# Altium PCB jetson-orin-baseboard.PcbDoc (part 4 of 4)
Units mm, origin at the board's own origin, x right, y up, seen from the top; angles counter-clockwise.
Board outline 120 x 60 mm, 8 copper layers (F.Cu, In1.Cu, In2.Cu, In3.Cu, In4.Cu, In5.Cu, In6.Cu, B.Cu); 670 components, 640 nets, 2806 pads, 0 vias.
Unrouted connection lines stored in the file: 1646.
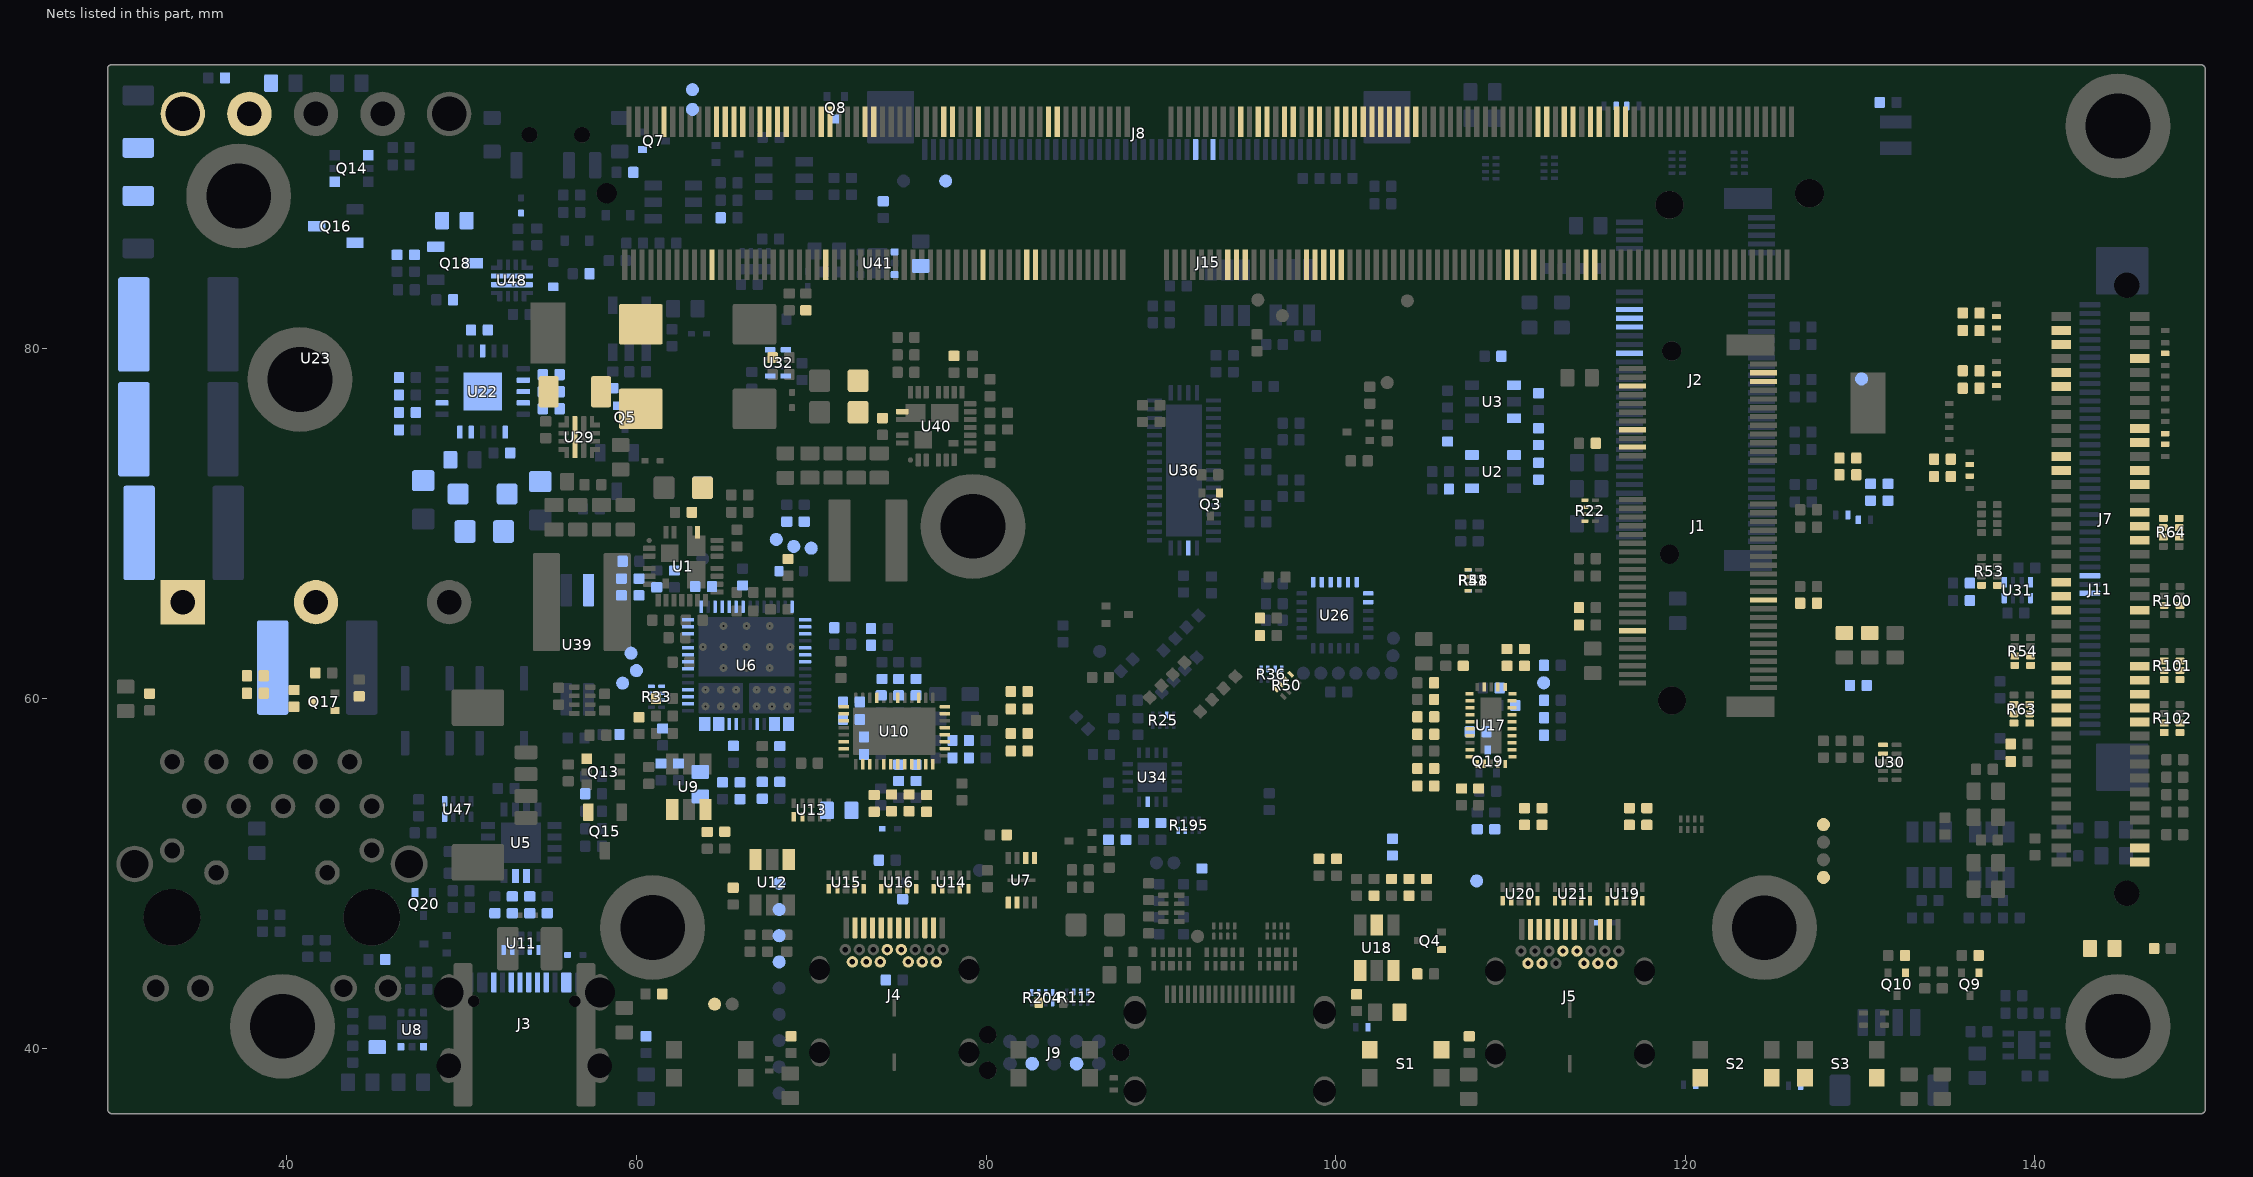
[diagram p4: the nets of this part, all layers, seen from the top]

## Nets (pads, with @x,y where several pads share a name; then routed paths per layer and width w, separated by ;. In a path a pad name is that pad's centre, name@x,y a point inside that pad or via, vN(x,y) a via of type N, cw(c..) or ccw(c..) an arc to the next point about the centre after c; other vN are vias at no path point) (continued)
PCIE2_RX1_P: D46.1 J11.8 J15.60
PCIE2_TX0_CONN_N: C108.1 D41.1 J11.9
PCIE2_TX0_CONN_P: C109.1 D42.1 J11.11
PCIE2_TX0_N: C108.2 J15.46
PCIE2_TX0_P: C109.2 J15.48
PCIE2_TX1_CONN_N: C112.1 D47.1 J11.3
PCIE2_TX1_CONN_P: C110.1 D48.1 J11.5
PCIE2_TX1_N: C112.2 J15.64
PCIE2_TX1_P: C110.2 J15.66
PCIE3_CLK_N: D49.1 J11.18 J15.227
PCIE3_CLK_P: D50.1 J11.20 J15.229
PCIE3_CLKREQ*: J15.225 R64.7
PCIE3_CLKREQ_CONN*: J11.32 R64.2
PCIE3_RST*: J15.223 R64.8
PCIE3_RST_CONN*: J11.30 R64.1
PCIE_WAKE*: J15.179 R13.1 R14.1 R15.1
PCIE_WAKE_SEL0: R13.2 R16.1 U2.1
PCIE_WAKE_SEL1: J1.55 R14.2
PCIE_WAKE_SEL_EXT: R15.2 R64.6
PCIE_WAKE_SEL_EXT_CONN: J11.34 R64.3
PDC_ADCIN1: R42.2 R43.2 U6.6
PDC_ADCIN2: R44.2 R45.2 U6.10
PDC_CTL0: R33.2 U6.17
PDC_CTL1: R33.1 U6.18
PDC_FLIP: R33.3 U6.16
PDC_GPIO14: R68.1 U6.42
PDC_GPIO15: R69.1 U6.43
PDC_HPD2: R65.1 U6.31
PDC_I2C1_IRQn: R244.1 U6.29
PDC_I2C1_SCL: R70.1 R262.2 U6.27 U47.1
PDC_I2C1_SDA: R71.1 R246.2 U6.28 U47.8
PDC_I2C2_IRQn: TP18.1 U6.34
PDC_I2C2_SCL: R130.2 TP19.1 U6.32
PDC_I2C2_SDA: R81.2 TP20.1 U6.33
PDC_I2C3_SCL: TP24.1 U6.21
PDC_I2C3_SDA: TP25.1 U6.22
PDC_LDO_1V8: C28.2 U6.35
PDC_LDO_3V3: C30.2 D35.2 R42.1 R44.1 U6.9
PDC_MISO: R131.1 R204.5 U7.2
PDC_MOSI: R204.7 U7.5
PDC_RESET: R41.2 U6.44
PDC_SCLK: R204.6 U7.6
PG: R148.2 U22.13
PMIC_BBAT: D34.1 J15.235 R294.2
POE_ACTIVE: Q17.1 R148.1 R185.2 R198.1 R241.2 U39.4
POE_OUTPUT: C52.1 C84.2 C85.2 Q14.4 Q16.3 R243.1 U23.7 U23.8
POWER_EN: J15.237 R260.2
PWR_SOFT: Q7.1 R58.2 R249.2
REF: R142.2 U22.7
SCK: D63.1 J9.4 R204.3
SCL_CAM: J15.213 R162.2
SCL_CAM0: R36.3 R50.2 U26.2
SCL_CAM1: R36.1 R50.4 U26.4
SCL_CAM2: R48.3 R51.2 U26.6
SCL_CAM3: R48.1 R51.4 U26.8
SDA_CAM: J15.215 R161.2
SDA_CAM0: R36.4 R50.1 U26.1
SDA_CAM1: R36.2 R50.3 U26.3
SDA_CAM2: R48.4 R51.1 U26.5
SDA_CAM3: R48.2 R51.3 U26.7
SLEEP{slash}{\W\A\K\E\}\: J15.240 TP2.1
SoM_VIN: C1.1 C2.1 FB1.2 J15.251
SPI1_MISO: J15.108 R101.5
SPI1_MISO_CONN: J11.56 R101.4
SPI1_MOSI: J15.104 R101.6
SPI1_MOSI_CONN: J11.54 R101.3
SPI1_SCK: J15.106 R101.7
SPI1_SCK_CONN: J11.52 R101.2
SPIO_MISO: J15.93 R63.6
SPIO_MISO_CONN: J11.55 R63.3
SPIO_MOSI: J15.89 R54.8
SPIO_MOSI_CONN: J11.53 R54.1
SPIO_SCK: J15.91 R54.7
SPIO_SCK_CONN: J11.51 R54.2
SYS_SCL: J15.185 R31.2 R62.1 R70.2 R82.2 R112.8 R125.1 R216.1 U30.2
SYS_SDA: J15.187 R30.2 R55.1 R71.2 R79.2 R112.6 R112.7 R124.1 R215.1 U30.1
TPH: R149.1 U22.18
TPL: R150.1 U22.17
UART0_CTS: J15.105 R22.2
UART0_RTS: J15.103 R22.3
UART0_RXD: J15.101 R22.4
UART0_TXD: J15.99 R22.1
UART1_RXD: J15.205 R53.8
UART1_RXD_CONN: J11.39 R53.1
UART1_TXD: J15.203 R100.6
UART1_TXD_CONN: J11.44 R100.3
ULS-12_CTRL: Q17.3 R199.1 R229.2 R241.1 U23.2
USB0_D_N: J5.A7 J5.B7 J15.109 U21.4
USB0_D_P: J5.A6 J5.B6 J15.111 U21.2
USB1_D_N: D22.1 J15.115 R52.1 R134.2
USB1_D_P: D23.1 J15.117 R20.1 R141.2
USB2_D_N: J4.A7 J4.B7 J15.121 U16.4
USB2_D_P: J4.A6 J4.B6 J15.123 U16.2
USB_CONN_N: J11.41 R134.1
USB_CONN_P: J11.43 R141.1
USB_E_N: J1.5 R52.2
USB_E_P: J1.3 R20.2
USB_FLASH_ID: J15.87 Q19.3 R23.2
USB_FTDI_N: R117.1 U5.7
USB_FTDI_P: R127.1 U5.6
USBC0_5V_PEN: R84.1 R158.1 U6.49
USBC0_CC1: J4.A5 U6.45 U16.1
USBC0_CC2: J4.B5 U6.47 U16.5
USBC0_CONN_TX1_N: C62.2 J4.A3 U15.5
USBC0_CONN_TX1_P: C60.2 J4.A2 U15.4
USBC0_CONN_TX2_N: C63.2 J4.B3 U14.4
USBC0_CONN_TX2_P: C61.2 J4.B2 U14.5
USBC0_CTL0: R33.7 R79.1 U10.22
USBC0_CTL1: R33.8 U10.23
USBC0_DPEQ0: R91.1 R92.1 U10.14
USBC0_DPEQ1: R93.1 R94.1 U10.2
USBC0_EQ0: R95.1 R96.1 U10.38
USBC0_EQ1: R97.1 R98.1 U10.35
USBC0_FLG: R83.1 R195.4 U12.3
USBC0_FLIP: R33.6 R82.1 U10.21
USBC0_I2C_EN: R85.1 R86.1 U10.17
USBC0_RX1_N: J4.B10 U10.31 U15.2
USBC0_RX1_P: J4.B11 U10.30 U15.1
USBC0_RX2_N: J4.A10 U10.39 U14.1
USBC0_RX2_P: J4.A11 U10.40 U14.2
USBC0_SBU_N: J4.A8 R109.1 U10.27 U13.2
USBC0_SBU_P: J4.B8 R110.1 U10.26 U13.1
USBC0_SSEQ0: R87.1 R88.1 U10.11
USBC0_SSEQ1: R89.1 R90.1 U10.3
USBC0_TX1_N: C62.1 U10.34
USBC0_TX1_P: C60.1 U10.33
USBC0_TX2_N: C63.1 U10.36
USBC0_TX2_P: C61.1 U10.37
USBC0_VBUS: C65.1 C149.2 D7.1 J4.A4 R106.2 TP17.1 U6.3 U12.1
USBC1_ADDR: R113.1 R114.2 U17.22
USBC1_CC1: J5.A5 U17.2 U21.1
USBC1_CC2: J5.B5 U17.1 U21.5
USBC1_CONN_TX1_N: C70.1 J5.A2 U20.4
USBC1_CONN_TX1_P: C71.1 J5.A3 U20.5
USBC1_CONN_TX2_N: C69.1 J5.B2 U19.4
USBC1_CONN_TX2_P: C72.1 J5.B3 U19.5
USBC1_DIR: R126.1 U17.11
USBC1_FAULT_N: R135.1 TP32.1 U17.24
USBC1_FLG: R138.1 R195.3 U18.3
USBC1_I2C_SDA: R124.2 R265.2 U17.25
USBC1_I_MODE: R116.1 U17.3
USBC1_ID: Q4.1 R23.1 R24.2 R136.2 TP31.1 U17.27
USBC1_ISC_SCL: R125.2 R266.2 U17.26
USBC1_ISET: R139.2 U18.5
USBC1_PEN: R25.3 R136.1 R137.2 R184.1
USBC1_PORT: R115.2 U17.4
USBC1_RX1_N: J5.B10 U17.14 U20.1
USBC1_RX1_P: J5.B11 U17.15 U20.2
USBC1_RX2_N: J5.A10 U17.18 U19.1
USBC1_RX2_P: J5.A11 U17.19 U19.2
USBC1_TX1_N: C70.2 U17.16
USBC1_TX1_P: C71.2 U17.17
USBC1_TX2_N: C69.2 U17.20
USBC1_TX2_P: C72.2 U17.21
USBC1_VBUS: C74.1 C75.1 D10.1 J5.A4 R60.2 R128.2 R140.2 TP29.1 U18.1
USBC1_VBUS_DET: R128.1 U17.5
USBC3_5V_PEN: R76.1 R144.1 U6.48
USBC3_CC1: J3.A5 U6.24 U11.1
USBC3_CC2: J3.B5 U6.26 U11.5
USBC3_D_N: C145.2 J3.A7 J3.B7 R117.2 U11.4
USBC3_D_P: C146.1 J3.A6 J3.B6 R127.2 U11.2
USBC3_FLG: R74.1 TP27.1 U9.3
USBC3_VBUS: C32.1 C64.1 C147.1 D6.1 J3.A4 R105.1 TP1.1 U6.13 U8.4 U8.6 U9.1
USBC_HPD: Q3.1 R65.2 U36.19
USBPD1_HV: C53.1 C136.1 R252.1 U6.11
USBPD2_HV: C58.1 C148.1 R253.1 U6.1
USBSS0_RX_C_N: C140.2 U10.4
USBSS0_RX_C_P: C143.2 U10.5
USBSS0_RX_N: C143.1 J15.161
USBSS0_RX_P: C140.1 J15.163
USBSS0_TX_C_N: C141.2 U10.7
USBSS0_TX_C_P: C144.2 U10.8
USBSS0_TX_N: C144.1 J15.166
USBSS0_TX_P: C141.1 J15.168
USBSS1_C_RX_N: R200.2 U17.10
USBSS1_C_RX_P: R201.2 U17.9
USBSS1_C_TX_N: R202.2 U17.7
USBSS1_C_TX_P: R203.2 U17.6
USBSS1_RX_N: D16.1 J11.24 J15.39
USBSS1_RX_P: D17.1 J11.26 J15.41
USBSS1_TX_N: C113.2 J15.45
USBSS1_TX_P: C111.2 J15.47
USBSS2_RX_N: J15.51 R201.1
USBSS2_RX_P: J15.53 R200.1
USBSS2_TX_CONN_N: C113.1 D19.1 J11.21
USBSS2_TX_CONN_P: C111.1 D21.1 J11.23
USBSS2_TX_N: J15.57 R203.1
USBSS2_TX_P: J15.59 R202.1
USER_BTN0: D58.2 J15.128 R232.1 S2.1 S2.2
USER_BTN1: D59.2 J15.130 R242.1 S3.1 S3.2
USER_LED0: J15.126 Q9.1 R222.2
USER_LED1: J15.127 Q10.1 R230.2
VCC: C5.2 C6.1 C50.2 C121.1 C122.2 C134.2 C151.2 C152.2 D29.1 Q18.3 R175.2 R188.2 R248.1 R263.2 TP14.1 U1.1 U40.1 U41.4 U41.6 U48.5
VCC_CONN: C115.1 J11.78 J11.80 R248.2
VCC_IN: C150.2 Q13.1 Q14.1 Q15.2 Q16.2 Q18.2 R164.2 R175.1 R252.2 R253.2
VDD: C76.2 C79.2 C80.2 C81.2 C82.2 D14.1 FB2.2 R146.2 R149.2 R150.2 R153.2 R154.2 R198.2 R199.2 U22.1 U23.1
VDD_SoM: FB1.1 U29.6 U48.6
VSS: C76.1 D14.2 FB3.2 R123.1 R129.2 R142.1 R145.1 R196.1 U22.4 U22.5 U22.21
VSYNC_CAM0: R12.2 U31.5
VSYNC_CAM0_3V3: J7.32 U31.8
VSYNC_CAM1: R11.2 U31.4
VSYNC_CAM1_3V3: J7.34 U31.1
VSYNC_CAM2: R4.2 U32.5
VSYNC_CAM2_3V3: J8.32 U32.8
VSYNC_CAM3: R5.2 U32.4
VSYNC_CAM3_3V3: J8.34 U32.1
{\B\T\}\: R153.1 U22.19
{\C\S\}\: J9.2 R204.1
{\F\O\R\C\E\_\R\E\C\O\V\E\R\Y\}\: D55.2 J15.214 S1.1 S1.2
{\G\P\I\O\_\I\N\T\}\: R1.2 R219.1 U34.11
{\L\E\D\1\}\: D51.1 J1.6
{\L\E\D\2\}\: D52.1 J1.16
{\M\2\_\E\_\A\L\E\R\T\}\: J1.62 TP6.1
{\M\2\_\E\_\U\A\R\T\_\W\A\K\E\}\: J1.20 R32.1 TP9.1
{\M\2\_\M\_\A\L\E\R\T\}\: J2.44 TP10.1
{\M\2\_\M\_\C\L\K\R\E\Q\0\}\: J2.52 R17.2 R38.2 U2.4 U3.1
{\M\2\_\M\_\P\E\R\S\T\}\: J2.50 R18.2 R37.2 U3.3
{\M\2\_\M\_\P\E\W\A\K\E\0\}\: J2.54 R16.2 U2.6
{\M\O\D\_\S\L\E\E\P\}\: J15.178 TP3.1
{\P\D\C\_\C\S\}\: R204.8 U7.1
{\P\D\C\_\I\2\C\3\_\I\R\Q\}\: TP26.1 U6.23
{\R\E\S\E\T\}\: J15.239 Q5.1 Q8.3 Q20.1 R183.1 R264.1 R268.1 R271.2 TP33.1
{\S\H\U\T\D\O\W\N\_\R\E\Q\}\: J15.233 R236.2
{\S\P\I\0\_\C\S\0\_\C\O\N\N\}\: J11.57 R63.2
{\S\P\I\0\_\C\S\0\}\: J15.95 R63.7
{\S\P\I\0\_\C\S\1\_\C\O\N\N\}\: J11.59 R63.1
{\S\P\I\0\_\C\S\1\}\: J15.97 R63.8
{\S\P\I\1\_\C\S\0\_\C\O\N\N\}\: J11.58 R102.3
{\S\P\I\1\_\C\S\0\}\: J15.110 R102.6
{\S\P\I\1\_\C\S\1\_\C\O\N\N\}\: J11.60 R102.4
{\S\P\I\1\_\C\S\1\}\: J15.112 R102.5
{\U\S\B\C\1\_\E\N\_\C\C\}\: R119.2 U17.29
{\U\S\B\C\1\_\E\N\_\M\U\X\}\: R118.2 U17.12
{\U\S\B\C\1\_\I\N\T\}\: R245.2 U17.23
pads on no net: H1.Un1 H1.Un2 H1.Un3 H1.Un4 H2.Un1 H2.Un2 H2.Un3 H2.Un4 H3.Un1 H3.Un2 H3.Un3 H3.Un4 H4.Un1 H4.Un2 H4.Un3 H4.Un4 H5.Un1 H5.Un2 H5.Un3 H5.Un4 H6.Un1 H6.Un2 H6.Un3 H6.Un4 J1.4 J1.7 J1.9 J1.11 J1.13 J1.15 J1.17 J1.18 J1.19 J1.21 J1.23 J1.33 J1.38 J1.39 J1.40 J1.42 J1.44 J1.45 J1.46 J1.48 J1.51 J1.57 J1.59 J1.61 J1.63 J1.64 J1.65 J1.66 J1.67 J1.68 J1.69 J1.70 J1.71 J1.72 J1.73 J1.74 J1.75 J1.Un1 J1.Un2 J2.2 J2.3 J2.4 J2.6 J2.8 J2.9 J2.14 J2.15 J2.16 J2.18 J2.20 J2.21 J2.22 J2.24 J2.26 J2.27 J2.28 J2.30 J2.32 J2.33 J2.34 J2.36 J2.38 J2.39 J2.45 J2.46 J2.48 J2.51 J2.56 J2.57 J2.58 J2.67 J2.69 J2.70 J2.71 J2.72 J2.73 J2.74 J2.75 J2.MP2 J2.Un1 J2.Un2 J3.A8 J3.A9 J3.A12 J3.B1 J3.B4 J3.B8 J3.B9 J3.B12 J3.Un1 J3.Un2 J4.A9 J4.A12 J4.B1 J4.B4 J4.B9 J4.B12 J4.Un1 J4.Un2 J5.A8 J5.A9 J5.A12 J5.B1 J5.B4 J5.B8 J5.B9 J5.B12 J5.Un1 J5.Un2 J6.20 J6.Un1 J6.Un2 J7.13 J7.14 J7.16 J7.17 J7.31 J7.33 J7.35 J7.36 J7.37 J7.38 J7.43 J7.44 J7.45 J7.46 J8.1 J8.2 J8.3 J8.4 J8.13 J8.14 J8.16 J8.17 J8.19 J8.20 J8.21 J8.22 J8.31 J8.33 J8.35 J8.36 J8.37 J8.38 J8.43 J8.44 J8.45 J8.46 J9.7 J9.10 J9.Un1 J9.Un2 J9.Un3 J10.MP1 J10.MP2 J11.Un1 J11.Un2 J13.17 J15.2 J15.7 J15.8 J15.13 J15.14 J15.19 J15.20 J15.25 J15.26 J15.31 J15.32 J15.37 J15.38 J15.43 J15.44 J15.49 J15.50 J15.55 J15.56 J15.61 J15.62 J15.67 J15.68 J15.70 J15.72 J15.73 J15.74 J15.76 J15.78 J15.79 J15.80 J15.82 J15.84 J15.85 J15.86 J15.88 J15.90 J15.92 J15.102 J15.107 J15.113 J15.119 J15.125 J15.129 J15.132 J15.135 J15.138 J15.141 J15.144 J15.146 J15.147 J15.152 J15.153 J15.158 J15.159 J15.164 J15.165 J15.170 J15.171 J15.176 J15.177 J15.200 J15.201 J15.207 J15.209 J15.231 J15.241 J15.242 J15.243 J15.244 J15.245 J15.246 J15.247 J15.248 J15.249 J15.250 J15.252 J15.253 J15.254 J15.255 J15.256 J15.257 J15.258 J15.259 J15.260 J15.261 J15.262 J15.Un1 J15.Un2 R33.4 R33.5 R53.3 R53.4 R53.5 R53.6 R59.2 R63.4 R63.5 R75.1 R102.1 R102.2 R102.7 R102.8 R112.4 R112.5 SP7.Un1 SP7.Un2 SP7.Un3 SP7.Un4 SP8.Un1 SP8.Un2 SP8.Un3 SP8.Un4 SW1.1 SW1.S1 SW1.S2 SW1.S3 SW1.Un1 SW1.Un2 TP30.1 U1.2 U1.3 U1.4 U1.6 U1.7 U1.8 U1.9 U1.10 U1.11 U1.14 U1.22 U1.25 U1.26 U1.27 U1.28 U5.3 U5.17 U6.7 U6.8 U6.19 U6.36 U6.37 U6.38 U6.39 U6.40 U6.41 U6.50 U6.51 U6.53 U6.54 U6.55 U6.56 U6.57 U6.58 U7.EP U8.2 U8.7 U10.6 U10.20 U10.28 U11.6 U11.7 U11.8 U11.9 U11.10 U13.4 U13.5 U13.6 U13.7 U13.8 U13.9 U13.10 U14.6 U14.7 U14.8 U14.9 U14.10 U15.6 U15.7 U15.8 U15.9 U15.10 U16.6 U16.7 U16.8 U16.9 U16.10 U17.28 U17.31 U19.6 U19.7 U19.8 U19.9 U19.10 U20.6 U20.7 U20.8 U20.9 U20.10 U21.6 U21.7 U21.8 U21.9 U21.10 U22.10 U22.14 U22.15 U22.16 U22.20 U26.25 U29.10 U29.Un1 U29.Un2 U29.Un3 U29.Un4 U29.Un5 U29.Un6 U29.Un7 U29.Un8 U29.Un9 U29.Un10 U29.Un11 U29.Un12 U30.6 U30.7 U30.8 U30.9 U30.10 U34.17 U35.3 U35.Un1 U35.Un2 U36.9 U36.15 U36.18 U36.20 U36.30 U36.Un1 U36.Un2 U36.Un3 U36.Un4 U36.Un5 U36.Un6 U36.Un7 U36.Un8 U36.Un9 U36.Un10 U36.Un11 U36.Un12 U36.Un13 U36.Un14 U40.2 U40.3 U40.4 U40.6 U40.7 U40.8 U40.9 U40.10 U40.11 U40.14 U40.22 U40.25 U40.26 U40.27 U40.28 U41.2 U41.7 U42.4 U44.6 U44.7 U44.8 U44.9 U44.10 U45.6 U45.7 U45.8 U45.9 U45.10 U46.6 U46.7 U46.8 U46.9 U46.10 U48.10 U48.Un1 U48.Un2 U48.Un3 U48.Un4 U48.Un5 U48.Un6 U48.Un7 U48.Un8 U48.Un9 U48.Un10 U48.Un11 U48.Un12

## Other copper
F.Cu:
  text "Jetson Orin Baseboard / Rev. ${REVISION}   1/2025" at 136,85.532 h0.5

## Silkscreen, mask and mechanical layers (free items; w line width, h text height)
F.SilkS:
  circle w0.254: c84.21,79.12 r0.636
  circle w0.254: c60.714,70.8 r0.636
  circle w0.254: c69.714,71.32 r0.636
  circle w0.254: c88.734,69.91 r0.636
  lines w0.254: 63.275,63.9 64.45,61.95 68.95,61.95 ; 69.29,78.53 69.29,79.36 70.76,80.83 70.76,83.44 ; 79.54,51.53 79.97,51.1 79.97,50.68 ; 82.58,74.75 82.58,67.86 88,67.86 88,68.96 91.18,68.96 91.18,74.75 ; 87.1,38.75 87.1,40.25 ; 110.475,69.85 110.475,67.975 112.525,67.975 113.575,67.475 ; 148.15,79.4 149,79.4 149,81.5 ; 149,52.3 149.3,52.3 149.3,51.4 ; 84.3,47.5 81.45,47.5 81.45,45.25 84.3,45.25 84.3,47.5 ; 84.3,47.5 84.3,48.75 ; 84.3,48.75 86.4,48.75 86.4,50.65 84.3,50.65 84.3,48.75 ; 83.336,78.28 83.336,82.7 87.826,82.7 87.826,79.62 85.106,79.62 85.106,78.28 83.336,78.28 ; 130.6,51.35 138.5,51.35 138.5,53.85 130.6,53.85 130.6,51.35 ; 146.81,73.3 148.15,73.3 148.15,81.5 146.81,81.5 146.81,73.3 ; 146.82,46.55 149.64,46.55 149.64,51.4 146.82,51.4 146.82,46.55 ; 147,51.7 149,51.7 149,57.1 147,57.1 147,51.7 ; 147.3,81.5 149.5,81.5 149.5,87.2 147.3,87.2 147.3,81.5
  text "SOM" at 56.075,90.751 h1 r90
  text "D" at 83.827,78.62 h0.7
  text "D" at 69.33,70.82 h0.7
  text "C" at 60.24,70.26 h0.7
  text "C" at 88.26,69.37 h0.7
  text "PoE" at 29.786,61.625 h0.8
  text "BT" at 131.175,59.952 h0.8 r90
  text "DRV" at 132.55,59.133 h0.8 r90
  text "WLAN" at 129.725,58.227 h0.8 r90
  text "M.2 KEY E" at 116.622,57.475 h0.8
  text "ETH" at 48.625,56.13 h0.8 r90
  text "FAN" at 52.667,50.225 h0.8
  text "+" at 54.543,47.343 h2
  text "USB-C 0 DP" at 80.825,40.72 h0.8 r90
  text "LED 1" at 133.475,39.223 h0.8 r90
  text "LED 0" at 135.375,39.052 h0.8 r90
  text "HDMI" at 101.275,36.923 h0.8 r90
  text "VCC" at 59.725,36.435 h0.8 r90
  text "POWER" at 62.179,36.225 h0.8
  text "RECOV" at 102.004,36.225 h0.8
  text "USR 0" at 121.005,36.225 h0.8
  text "USR 1" at 127.276,36.225 h0.8
  text "RESET" at 82.118,36.175 h0.8
  text "USB-C 1" at 119.45,36.07 h0.85 r90
B.SilkS:
  drawing of 200 lines, arcs and shapes, not listed
  text "3V3" at 112.104,94.025 h0.8
  text "STARTUP / MANUAL     AUTO" at 60.036,93.6 h0.7
  text "+" at 133.379,93.521 h0.65
  text "5V0" at 112.104,92.525 h0.8
  text "-" at 133.379,90.425 h0.65
  text "CSI B" at 104.794,90.025 h0.8
  text "B" at 67.433,86.85 h0.7
  text "CSI A" at 142.975,86.482 h0.8 r90
  text "A" at 58.817,85.8 h0.7
  text "B" at 83.433,84.15 h0.7
  text "A" at 79.98,77.05 h0.7
  text "PCB SHA ########" at 48.658,67.517 h0.65
  text "M.2 KEY M" at 126.185,65.775 h0.8
  text "5V0" at 148.229,51.825 h0.8
  text "3V3" at 148.229,50.4 h0.8
  text "C" at 45.66,49.344 h0.7
  text "VBUS0" at 67.565,48.955 h0.65
  text "VBUS3" at 67.565,47.455 h0.65
  text "J9 SELECT ONE" at 88.78,47.385 h0.8
  text "VBUS1" at 67.565,45.955 h0.65
  text "VCC" at 67.565,44.455 h0.65
  text "USB-C 3 DBG" at 59.925,43.906 h0.8 r90
  text "R204  SPI / R112  I2C" at 87.51,43.675 h0.8
  text "+5V" at 67.565,42.955 h0.65
  text "GND" at 132.2,42.55 h0.7 r270
  text "SCL" at 130.25,42.25 h0.7 r90
  text "SDA" at 131.225,42.25 h0.7 r90
  text "3V3" at 132.225,42.25 h0.7 r90
  text "SPI" at 75.63,41.74 h0.8
  text "I2C" at 93.795,41.73 h0.8
  text "+3V3" at 67.565,41.455 h0.65
  text "C" at 31.95,40.664 h0.7
  text "MOSI" at 77.6,40.557 h0.8
  text "MISO" at 74.6,40.55 h0.8
  text "SDA" at 95.035,40.39 h0.8
  text "3V3 STDB" at 67.565,39.955 h0.65
  text "I2C1" at 128.225,39.008 h0.8 r90
  text "+1V8" at 67.565,38.455 h0.65
  text "SCK" at 74.05,37.3 h0.8
  text "VCC" at 77.6,37.3 h0.8
  text "SCL" at 92.235,37.14 h0.8
  text "VCC" at 95.765,37.133 h0.8
  text "GND" at 67.565,36.955 h0.65
  text "EEPROM SPI" at 86.104,36.33 h0.8
  text "RX" at 44.998,36.225 h0.8
  text "TX" at 47.856,36.225 h0.8
  text "GND" at 95.785,36.083 h0.8
  text "GND" at 74.05,36.05 h0.8
  text "~{CS}" at 77.15,35.841 h0.8
F.Mask:
  text "Jetson Orin Baseboard / Rev. ${REVISION}   1/2025" at 136,85.532 h0.5
User.9:
  circle w0.254: c144.8,41.25 r1.85
  circle w0.254: c144.75,92.7 r1.85
  circle w0.254: c37.25,88.75 r1.85
  circle w0.254: c39.75,41.25 r1.85
  lines w0.254: 29.75,36.25 149.75,36.25 149.75,96.25 29.75,96.25 29.75,36.25
  text "4x 3.70mm" at 127.948,98.85 h1
F.Fab:
  lines w0.254: 162.221,4.065 284.236,4.065 ; 162.221,8.13 284.236,8.13 ; 162.221,12.195 284.236,12.195 ; 162.221,16.26 284.236,16.26 ; 162.221,20.325 284.236,20.325 ; 162.221,24.39 284.236,24.39 ; 162.221,28.455 284.236,28.455 ; 162.221,32.52 284.236,32.52 ; 162.221,36.585 284.236,36.585 ; 162.221,40.65 284.236,40.65 ; 162.221,44.715 284.236,44.715 ; 162.221,48.78 284.236,48.78 ; 162.221,52.845 284.236,52.845 ; 162.221,56.91 284.236,56.91 ; 162.221,60.975 284.236,60.975 ; 162.221,65.04 284.236,65.04 ; 162.221,69.105 284.236,69.105 ; 162.221,73.17 284.236,73.17 ; 162.221,77.235 284.236,77.235 ; 162.221,81.3 284.236,81.3 ; 162.221,85.365 284.236,85.365 ; 162.221,89.43 284.236,89.43 ; 162.221,93.495 284.236,93.495 ; 185.75,0 185.75,97.86 ; 210.921,0 210.921,97.86 ; 227.521,0 227.521,97.86 ; 247.25,0 247.25,97.86 ; 254.993,0 254.993,97.86 ; 267.579,0 267.579,97.86 ; 162.221,0 284.236,0 284.236,97.86 162.221,97.86 162.221,0
  text "Color" at 247.7,96.06 h1.5
  text "Material" at 211.371,96.024 h1.5
  text "Layer Name" at 162.671,95.81 h1.5
  text "Type" at 186.2,95.81 h1.5
  text "Loss Tangent" at 268.029,95.81 h1.5
  text "Epsilon R" at 255.443,95.775 h1.5
  text "Thickness (mm)" at 227.971,95.667 h1.5
  text "0 mm" at 228.171,91.895 h1.5
  text "1" at 255.643,91.895 h1.5
  text "0" at 268.229,91.895 h1.5
  text "F.Silkscreen" at 162.871,91.859 h1.5
  text "White" at 247.9,91.859 h1.5
  text "Top Silk Screen" at 186.4,91.61 h1.5
  text "Not specified" at 211.571,91.61 h1.5
  text "F.Paste" at 162.871,87.83 h1.5
  text "0 mm" at 228.171,87.83 h1.5
  text "1" at 255.643,87.83 h1.5
  text "0" at 268.229,87.83 h1.5
  text "Top Solder Paste" at 186.4,87.58 h1.5
  text "String" at 211.571,87.545 h1.5
  text "String" at 247.9,87.545 h1.5
  text "F.Mask" at 162.871,83.765 h1.5
  text "0.01 mm" at 228.171,83.765 h1.5
  text "Black" at 247.9,83.765 h1.5
  text "3.3" at 255.643,83.765 h1.5
  text "0" at 268.229,83.765 h1.5
  text "Top Solder Mask" at 186.4,83.515 h1.5
  text "Not specified" at 211.571,83.48 h1.5
  text "F.Cu" at 162.871,79.7 h1.5
  text "copper" at 186.4,79.7 h1.5
  text "0.035 mm" at 228.171,79.7 h1.5
  text "1" at 255.643,79.7 h1.5
  text "0" at 268.229,79.7 h1.5
  text "String" at 211.571,79.415 h1.5
  text "String" at 247.9,79.415 h1.5
  text "prepreg" at 186.4,75.635 h1.5
  text "PR2116" at 211.571,75.635 h1.5
  text "0.12 mm" at 228.171,75.635 h1.5
  text "4.3" at 255.643,75.635 h1.5
  text "0.02" at 268.229,75.635 h1.5
  text "Dielectric 1" at 162.871,75.599 h1.5
  text "String" at 247.9,75.35 h1.5
  text "In1.Cu" at 162.871,71.57 h1.5
  text "copper" at 186.4,71.57 h1.5
  text "0.035 mm" at 228.171,71.57 h1.5
  text "1" at 255.643,71.57 h1.5
  text "0" at 268.229,71.57 h1.5
  text "String" at 211.571,71.285 h1.5
  text "String" at 247.9,71.285 h1.5
  text "core" at 186.4,67.755 h1.5
  text "FR4" at 211.571,67.505 h1.5
  text "0.2 mm" at 228.171,67.505 h1.5
  text "4.39" at 255.643,67.505 h1.5
  text "0.02" at 268.229,67.505 h1.5
  text "Dielectric 2" at 162.871,67.469 h1.5
  text "String" at 247.9,67.22 h1.5
  text "In2.Cu" at 162.871,63.44 h1.5
  text "copper" at 186.4,63.44 h1.5
  text "0.035 mm" at 228.171,63.44 h1.5
  text "1" at 255.643,63.44 h1.5
  text "0" at 268.229,63.44 h1.5
  text "String" at 211.571,63.155 h1.5
  text "String" at 247.9,63.155 h1.5
  text "prepreg" at 186.4,59.375 h1.5
  text "PR2116" at 211.571,59.375 h1.5
  text "0.12 mm" at 228.171,59.375 h1.5
  text "4.39" at 255.643,59.375 h1.5
  text "0.02" at 268.229,59.375 h1.5
  text "String" at 247.9,59.09 h1.5
  text "Dielectric 3  (1/2)" at 162.871,58.982 h1.5
  text "prepreg" at 186.4,55.31 h1.5
  text "PR2116" at 211.571,55.31 h1.5
  text "0.12 mm" at 228.171,55.31 h1.5
  text "4.39" at 255.643,55.31 h1.5
  text "0" at 268.229,55.31 h1.5
  text "String" at 247.9,55.025 h1.5
  text "Dielectric 3  (1/2)" at 162.871,54.917 h1.5
  text "In3.Cu" at 162.871,51.245 h1.5
  text "copper" at 186.4,51.245 h1.5
  text "0.035 mm" at 228.171,51.245 h1.5
  text "1" at 255.643,51.245 h1.5
  text "0" at 268.229,51.245 h1.5
  text "String" at 211.571,50.96 h1.5
  text "String" at 247.9,50.96 h1.5
  text "core" at 186.4,47.43 h1.5
  text "FR4" at 211.571,47.18 h1.5
  text "0.2 mm" at 228.171,47.18 h1.5
  text "4.39" at 255.643,47.18 h1.5
  text "0.02" at 268.229,47.18 h1.5
  text "Dielectric 4" at 162.871,47.144 h1.5
  text "String" at 247.9,46.895 h1.5
  text "In4.Cu" at 162.871,43.115 h1.5
  text "copper" at 186.4,43.115 h1.5
  text "0.035 mm" at 228.171,43.115 h1.5
  text "1" at 255.643,43.115 h1.5
  text "0" at 268.229,43.115 h1.5
  text "String" at 211.571,42.83 h1.5
  text "String" at 247.9,42.83 h1.5
  text "prepreg" at 186.4,39.05 h1.5
  text "PR2116" at 211.571,39.05 h1.5
  text "0.12 mm" at 228.171,39.05 h1.5
  text "4.39" at 255.643,39.05 h1.5
  text "0.02" at 268.229,39.05 h1.5
  text "String" at 247.9,38.765 h1.5
  text "Dielectric 5  (1/2)" at 162.871,38.657 h1.5
  text "prepreg" at 186.4,34.985 h1.5
  text "PR2116" at 211.571,34.985 h1.5
  text "0.12 mm" at 228.171,34.985 h1.5
  text "4.39" at 255.643,34.985 h1.5
  text "0" at 268.229,34.985 h1.5
  text "String" at 247.9,34.7 h1.5
  text "Dielectric 5  (1/2)" at 162.871,34.592 h1.5
  text "In5.Cu" at 162.871,30.92 h1.5
  text "copper" at 186.4,30.92 h1.5
  text "0.035 mm" at 228.171,30.92 h1.5
  text "1" at 255.643,30.92 h1.5
  text "0" at 268.229,30.92 h1.5
  text "String" at 211.571,30.635 h1.5
  text "String" at 247.9,30.635 h1.5
  text "core" at 186.4,27.105 h1.5
  text "FR4" at 211.571,26.855 h1.5
  text "0.2 mm" at 228.171,26.855 h1.5
  text "4.39" at 255.643,26.855 h1.5
  text "0.02" at 268.229,26.855 h1.5
  text "Dielectric 6" at 162.871,26.819 h1.5
  text "String" at 247.9,26.57 h1.5
  text "In6.Cu" at 162.871,22.79 h1.5
  text "copper" at 186.4,22.79 h1.5
  text "0.035 mm" at 228.171,22.79 h1.5
  text "1" at 255.643,22.79 h1.5
  text "0" at 268.229,22.79 h1.5
  text "String" at 211.571,22.505 h1.5
  text "String" at 247.9,22.505 h1.5
  text "prepreg" at 186.4,18.725 h1.5
  text "PR2116" at 211.571,18.725 h1.5
  text "0.12 mm" at 228.171,18.725 h1.5
  text "4.3" at 255.643,18.725 h1.5
  text "0.02" at 268.229,18.725 h1.5
  text "Dielectric 7" at 162.871,18.689 h1.5
  text "String" at 247.9,18.44 h1.5
  text "B.Cu" at 162.871,14.66 h1.5
  text "copper" at 186.4,14.66 h1.5
  text "0.035 mm" at 228.171,14.66 h1.5
  text "1" at 255.643,14.66 h1.5
  text "0" at 268.229,14.66 h1.5
  text "String" at 211.571,14.375 h1.5
  text "String" at 247.9,14.375 h1.5
  text "B.Mask" at 162.871,10.595 h1.5
  text "Bottom Solder Mask" at 186.4,10.595 h1.5
  text "0.01 mm" at 228.171,10.595 h1.5
  text "Black" at 247.9,10.595 h1.5
  text "3.3" at 255.643,10.595 h1.5
  text "0" at 268.229,10.595 h1.5
  text "Not specified" at 211.571,10.31 h1.5
  text "B.Paste" at 162.871,6.53 h1.5
  text "Bottom Solder Paste" at 186.4,6.53 h1.5
  text "0 mm" at 228.171,6.53 h1.5
  text "1" at 255.643,6.53 h1.5
  text "0" at 268.229,6.53 h1.5
  text "String" at 211.571,6.245 h1.5
  text "String" at 247.9,6.245 h1.5
  text "0 mm" at 228.171,2.465 h1.5
  text "1" at 255.643,2.465 h1.5
  text "0" at 268.229,2.465 h1.5
  text "B.Silkscreen" at 162.871,2.429 h1.5
  text "Bottom Silk Screen" at 186.4,2.429 h1.5
  text "White" at 247.9,2.429 h1.5
  text "Not specified" at 211.571,2.18 h1.5
Edge.Cuts:
  the board outline again, w0.254

## Dimensions
35.75,88.75 to 35.75,96.25 on User.9
38.25,41.25 to 38.25,36.25 on User.9
146.25,92.75 to 146.25,96.25 on User.9
144.75,94.25 to 149.75,94.25 on User.9
29.75,96.25 to 149.75,96.25 on User.9
39.75,42.75 to 29.75,42.75 on User.9
149.75,36.25 to 149.75,96.25 on User.9
37.25,90.25 to 29.75,90.25 on User.9

## Text inside footprints (layer, text, board x,y; h text height)
A2: F.Fab "License: Apache-2.0" at 179.223,44.636 h0.7; F.Fab "Author: Antmicro" at 179.223,45.952 h0.7
A2: F.Fab "Author: Antmicro" at 147.217,58.7 h0.7 r90; F.Fab "License: Apache-2.0" at 148.533,58.7 h0.7 r90
BT1: B.Fab "Author: Antmicro" at 146.015,95.581 h0.7 r90; B.Fab "COPPER KEEPOUT" at 132.858,92.13 h0.4; B.Fab "License: Apache-2.0" at 144.932,95.581 h0.7 r90
C1: F.Fab "License: Apache-2.0" at 58.855,73.987 h0.7; F.Fab "Author: Antmicro" at 58.855,75.303 h0.7
C2: F.Fab "Author: Antmicro" at 58.855,70.463 h0.7; F.Fab "License: Apache-2.0" at 58.855,69.147 h0.7
C5: B.Fab "License: Apache-2.0" at 70.89,76.364 h0.7; B.Fab "Author: Antmicro" at 69.06,77.48 h0.7
C6: F.Fab "Author: Antmicro" at 55.344,73.532 h0.7; F.Fab "License: Apache-2.0" at 53.514,75.816 h0.7
C7: B.Fab "License: Apache-2.0" at 100.597,76.348 h0.7 r270; B.Fab "Author: Antmicro" at 101.713,76.348 h0.7 r270
C8: B.Fab "License: Apache-2.0" at 106.782,67.177 h0.7; B.Fab "Author: Antmicro" at 106.782,68.293 h0.7
C9: F.Fab "Author: Antmicro" at 127.832,74.453 h0.7; F.Fab "License: Apache-2.0" at 127.832,75.337 h0.7
C10: F.Fab "License: Apache-2.0" at 127.832,74.337 h0.7; F.Fab "Author: Antmicro" at 127.832,73.453 h0.7
C11: F.Fab "License: Apache-2.0" at 105.517,83.612 h0.7; F.Fab "Author: Antmicro" at 107.347,82.727 h0.7
C12: F.Fab "Author: Antmicro" at 120.111,60.318 h0.7 r90; F.Fab "License: Apache-2.0" at 121.228,60.318 h0.7 r90
C13: B.Fab "License: Apache-2.0" at 125.653,85.787 h0.7; B.Fab "Author: Antmicro" at 125.653,84.903 h0.7
C14: B.Fab "License: Apache-2.0" at 125.653,82.787 h0.7; B.Fab "Author: Antmicro" at 125.653,81.903 h0.7
C15: B.Fab "License: Apache-2.0" at 125.653,79.787 h0.7; B.Fab "Author: Antmicro" at 125.653,78.903 h0.7
C16: B.Fab "Author: Antmicro" at 125.668,75.903 h0.7; B.Fab "License: Apache-2.0" at 125.668,76.787 h0.7
C17: B.Fab "Author: Antmicro" at 125.653,83.903 h0.7; B.Fab "License: Apache-2.0" at 125.653,84.787 h0.7
C18: B.Fab "License: Apache-2.0" at 125.653,81.787 h0.7; B.Fab "Author: Antmicro" at 125.653,80.903 h0.7
C19: B.Fab "License: Apache-2.0" at 125.653,78.787 h0.7; B.Fab "Author: Antmicro" at 125.653,77.903 h0.7
C20: B.Fab "License: Apache-2.0" at 135.933,75.787 h0.7; B.Fab "Author: Antmicro" at 134.103,74.903 h0.7
C21: B.Fab "License: Apache-2.0" at 115.982,80.522 h0.7; B.Fab "Author: Antmicro" at 115.982,81.639 h0.7
C22: B.Fab "License: Apache-2.0" at 116.032,66.972 h0.7; B.Fab "Author: Antmicro" at 116.032,68.089 h0.7
C23: B.Fab "License: Apache-2.0" at 116.032,65.472 h0.7; B.Fab "Author: Antmicro" at 116.032,66.589 h0.7
C24: B.Fab "Author: Antmicro" at 116.032,64.589 h0.7; B.Fab "License: Apache-2.0" at 116.032,63.472 h0.7
C25: B.Fab "Author: Antmicro" at 113.518,88.253 h0.7; B.Fab "License: Apache-2.0" at 113.518,89.137 h0.7
C26: B.Fab "Author: Antmicro" at 71.887,57.582 h0.7 r90; B.Fab "License: Apache-2.0" at 73.003,57.582 h0.7 r90
C27: B.Fab "License: Apache-2.0" at 50.532,45.447 h0.7; B.Fab "Author: Antmicro" at 50.532,46.563 h0.7
C28: B.Fab "License: Apache-2.0" at 72.507,67.739 h0.7 r90; B.Fab "Author: Antmicro" at 69.991,67.739 h0.7 r90
C29: B.Fab "Author: Antmicro" at 56.468,57.203 h0.7; B.Fab "License: Apache-2.0" at 56.468,58.087 h0.7
C30: B.Fab "Author: Antmicro" at 61.634,56.023 h0.7 r270; B.Fab "License: Apache-2.0" at 59.118,56.023 h0.7 r270
C31: B.Fab "Author: Antmicro" at 50.532,45.313 h0.7; B.Fab "License: Apache-2.0" at 50.532,44.197 h0.7
C32: B.Fab "License: Apache-2.0" at 38.647,39.223 h0.7 r270; B.Fab "Author: Antmicro" at 39.764,39.223 h0.7 r270
C33: F.Fab "Author: Antmicro" at 75.393,50.772 h0.7 r270; F.Fab "License: Apache-2.0" at 74.277,50.772 h0.7 r270
C34: B.Fab "License: Apache-2.0" at 48.339,36.928 h0.7; B.Fab "Author: Antmicro" at 48.339,39.444 h0.7
C35: F.Fab "Author: Antmicro" at 63.339,64.957 h0.7; F.Fab "License: Apache-2.0" at 63.339,67.241 h0.7
C36: F.Fab "Author: Antmicro" at 78.818,54.063 h0.7; F.Fab "License: Apache-2.0" at 78.818,52.947 h0.7
C37: F.Fab "Author: Antmicro" at 73.933,55.742 h0.7 r270; F.Fab "License: Apache-2.0" at 72.817,55.742 h0.7 r270
C40: B.Fab "Author: Antmicro" at 67.242,79.003 h0.7; B.Fab "License: Apache-2.0" at 67.242,77.887 h0.7
C41: B.Fab "Author: Antmicro" at 68.462,81.603 h0.7; B.Fab "License: Apache-2.0" at 68.462,80.487 h0.7
C42: B.Fab "Author: Antmicro" at 135.618,51.103 h0.7; B.Fab "License: Apache-2.0" at 135.618,51.987 h0.7
C43: B.Fab "License: Apache-2.0" at 132.368,51.987 h0.7; B.Fab "Author: Antmicro" at 132.368,51.103 h0.7
C44: F.Fab "License: Apache-2.0" at 63.983,58.708 h0.7 r90; F.Fab "Author: Antmicro" at 62.867,58.708 h0.7 r90
C45: F.Fab "License: Apache-2.0" at 54.897,56.682 h0.7 r270; F.Fab "Author: Antmicro" at 56.013,56.682 h0.7 r270
C47: B.Fab "License: Apache-2.0" at 88.347,78.368 h0.7 r270; B.Fab "Author: Antmicro" at 89.463,78.368 h0.7 r270
C48: F.Fab "License: Apache-2.0" at 49.737,61.212 h0.7 r270; F.Fab "Author: Antmicro" at 50.853,61.212 h0.7 r270
C49: F.Fab "Author: Antmicro" at 71.116,55.711 h0.7 r90; F.Fab "License: Apache-2.0" at 73.632,55.711 h0.7 r90
C50: B.Fab "Author: Antmicro" at 56.383,86.463 h0.7; B.Fab "License: Apache-2.0" at 58.213,87.347 h0.7
C51: F.Fab "License: Apache-2.0" at 89.282,49.462 h0.7; F.Fab "Author: Antmicro" at 89.282,48.577 h0.7
C52: B.Fab "License: Apache-2.0" at 36.767,89.697 h0.7; B.Fab "Author: Antmicro" at 36.767,90.813 h0.7
C53: B.Fab "License: Apache-2.0" at 67.203,56.582 h0.7 r90; B.Fab "Author: Antmicro" at 66.087,56.582 h0.7 r90
C54: F.Fab "Author: Antmicro" at 76.387,60.568 h0.7 r90; F.Fab "License: Apache-2.0" at 77.503,60.568 h0.7 r90
C55: F.Fab "License: Apache-2.0" at 70.682,60.837 h0.7; F.Fab "Author: Antmicro" at 70.682,59.953 h0.7
C56: B.Fab "License: Apache-2.0" at 78.132,62.439 h0.7 r90; B.Fab "Author: Antmicro" at 75.616,62.439 h0.7 r90
C57: F.Fab "License: Apache-2.0" at 62.797,47.082 h0.7 r270; F.Fab "Author: Antmicro" at 63.913,47.082 h0.7 r270
C58: B.Fab "Author: Antmicro" at 72.418,61.453 h0.7; B.Fab "License: Apache-2.0" at 72.418,62.337 h0.7
C59: B.Fab "License: Apache-2.0" at 70.711,68.266 h0.7; B.Fab "Author: Antmicro" at 70.711,65.982 h0.7
C60: F.Fab "License: Apache-2.0" at 67.797,55.082 h0.7 r270; F.Fab "Author: Antmicro" at 68.913,55.082 h0.7 r270
C61: F.Fab "Author: Antmicro" at 71.913,55.082 h0.7 r270; F.Fab "License: Apache-2.0" at 70.797,55.082 h0.7 r270
C62: F.Fab "Author: Antmicro" at 69.913,55.115 h0.7 r270; F.Fab "License: Apache-2.0" at 68.797,55.115 h0.7 r270
C63: F.Fab "License: Apache-2.0" at 69.797,55.115 h0.7 r270; F.Fab "Author: Antmicro" at 70.913,55.115 h0.7 r270
C64: B.Fab "License: Apache-2.0" at 67.303,58.582 h0.7 r90; B.Fab "Author: Antmicro" at 66.187,58.582 h0.7 r90
C65: B.Fab "Author: Antmicro" at 72.887,57.582 h0.7 r90; B.Fab "License: Apache-2.0" at 74.003,57.582 h0.7 r90
C66: F.Fab "License: Apache-2.0" at 111.578,60.868 h0.7 r90; F.Fab "Author: Antmicro" at 110.461,60.868 h0.7 r90
C67: F.Fab "Author: Antmicro" at 110.987,61.268 h0.7 r90; F.Fab "License: Apache-2.0" at 112.103,61.268 h0.7 r90
C68: F.Fab "Author: Antmicro" at 105.937,60.653 h0.7; F.Fab "License: Apache-2.0" at 105.937,61.537 h0.7
C69: F.Fab "License: Apache-2.0" at 122.603,52.168 h0.7 r90; F.Fab "Author: Antmicro" at 121.487,52.168 h0.7 r90
C70: F.Fab "License: Apache-2.0" at 116.603,52.168 h0.7 r90; F.Fab "Author: Antmicro" at 115.487,52.168 h0.7 r90
C71: F.Fab "Author: Antmicro" at 116.487,52.168 h0.7 r90; F.Fab "License: Apache-2.0" at 117.603,52.168 h0.7 r90
C72: F.Fab "Author: Antmicro" at 122.487,52.168 h0.7 r90; F.Fab "License: Apache-2.0" at 123.603,52.168 h0.7 r90
C73: F.Fab "License: Apache-2.0" at 107.003,48.118 h0.7 r90; F.Fab "Author: Antmicro" at 105.887,48.118 h0.7 r90
C74: F.Fab "Author: Antmicro" at 104.482,46.427 h0.7; F.Fab "License: Apache-2.0" at 104.482,47.312 h0.7
C75: F.Fab "Author: Antmicro" at 96.513,43.682 h0.7 r270; F.Fab "License: Apache-2.0" at 95.397,43.682 h0.7 r270
C76: B.Fab "Author: Antmicro" at 57.685,74.98 h0.7; B.Fab "License: Apache-2.0" at 59.515,73.864 h0.7
C77: B.Fab "Author: Antmicro" at 32.86,58.245 h0.7 r90; B.Fab "License: Apache-2.0" at 33.976,60.075 h0.7 r90
C78: B.Fab "Author: Antmicro" at 44.295,47.926 h0.7 r90; B.Fab "License: Apache-2.0" at 45.411,47.926 h0.7 r90
C79: B.Fab "Author: Antmicro" at 45.29,53.353 h0.7; B.Fab "License: Apache-2.0" at 45.29,54.237 h0.7
C80: B.Fab "License: Apache-2.0" at 37.65,61.942 h0.7; B.Fab "Author: Antmicro" at 37.65,61.058 h0.7
C81: B.Fab "License: Apache-2.0" at 37.35,73.867 h0.7; B.Fab "Author: Antmicro" at 37.35,72.983 h0.7
C82: B.Fab "License: Apache-2.0" at 37.35,67.867 h0.7; B.Fab "Author: Antmicro" at 37.35,66.983 h0.7
C83: B.Fab "License: Apache-2.0" at 60.859,72.258 h0.7; B.Fab "Author: Antmicro" at 60.859,74.774 h0.7
C84: B.Fab "Author: Antmicro" at 25.383,84.6 h0.7 r270; B.Fab "License: Apache-2.0" at 24.267,84.6 h0.7 r270
C85: B.Fab "Author: Antmicro" at 37.617,95.65 h0.7 r90; B.Fab "License: Apache-2.0" at 38.733,95.65 h0.7 r90
C86: B.Fab "Author: Antmicro" at 96.368,78.453 h0.7; B.Fab "License: Apache-2.0" at 96.368,79.337 h0.7
C87: B.Fab "License: Apache-2.0" at 94.468,77.612 h0.7; B.Fab "Author: Antmicro" at 94.468,76.728 h0.7
C88: B.Fab "Author: Antmicro" at 96.368,75.203 h0.7; B.Fab "License: Apache-2.0" at 96.368,76.087 h0.7
C89: B.Fab "Author: Antmicro" at 95.408,68.128 h0.7; B.Fab "License: Apache-2.0" at 95.408,69.012 h0.7
C90: B.Fab "License: Apache-2.0" at 95.418,84.787 h0.7; B.Fab "Author: Antmicro" at 95.418,83.903 h0.7
C91: B.Fab "License: Apache-2.0" at 98.953,79.932 h0.7 r90; B.Fab "Author: Antmicro" at 97.837,79.932 h0.7 r90
C92: B.Fab "License: Apache-2.0" at 94.468,74.637 h0.7; B.Fab "Author: Antmicro" at 94.468,73.753 h0.7
C93: F.Fab "Author: Antmicro" at 55.964,67.362 h0.7; F.Fab "License: Apache-2.0" at 54.134,69.646 h0.7
C94: B.Fab "License: Apache-2.0" at 143.803,61.282 h0.7 r90; B.Fab "Author: Antmicro" at 142.687,61.282 h0.7 r90
C95: B.Fab "Author: Antmicro" at 133.313,56.468 h0.7 r270; B.Fab "License: Apache-2.0" at 132.197,56.468 h0.7 r270
C96: B.Fab "License: Apache-2.0" at 139.692,59.087 h0.7; B.Fab "Author: Antmicro" at 139.692,60.203 h0.7
C97: B.Fab "License: Apache-2.0" at 60.797,77.418 h0.7 r270; B.Fab "Author: Antmicro" at 61.913,77.418 h0.7 r270
C98: B.Fab "Author: Antmicro" at 97.518,93.403 h0.7; B.Fab "License: Apache-2.0" at 97.518,94.287 h0.7
C99: B.Fab "License: Apache-2.0" at 99.403,94.287 h0.7; B.Fab "Author: Antmicro" at 99.403,93.403 h0.7
C100: B.Fab "Author: Antmicro" at 140.322,62.783 h0.7; B.Fab "License: Apache-2.0" at 140.322,61.667 h0.7
C101: B.Fab "Author: Antmicro" at 64.788,77.918 h0.7 r270; B.Fab "License: Apache-2.0" at 63.672,77.918 h0.7 r270
C102: F.Fab "License: Apache-2.0" at 60.584,60.004 h0.7 r90; F.Fab "Author: Antmicro" at 62.868,61.834 h0.7 r90
C103: F.Fab "Author: Antmicro" at 60.691,68.538 h0.7 r90; F.Fab "License: Apache-2.0" at 61.808,68.538 h0.7 r90
C104: B.Fab "Author: Antmicro" at 82.313,53.918 h0.7 r270; B.Fab "License: Apache-2.0" at 81.197,53.918 h0.7 r270
C105: F.Fab "Author: Antmicro" at 136.033,51.263 h0.7; F.Fab "License: Apache-2.0" at 136.033,50.147 h0.7
C106: F.Fab "Author: Antmicro" at 136.318,47.213 h0.7; F.Fab "License: Apache-2.0" at 136.318,46.097 h0.7
C107: F.Fab "Author: Antmicro" at 135.313,52.597 h0.7 r270; F.Fab "License: Apache-2.0" at 134.197,52.597 h0.7 r270
C108: F.Fab "Author: Antmicro" at 137.132,82.403 h0.7; F.Fab "License: Apache-2.0" at 137.132,83.287 h0.7
C109: F.Fab "License: Apache-2.0" at 137.132,82.287 h0.7; F.Fab "Author: Antmicro" at 137.132,81.403 h0.7
C110: F.Fab "Author: Antmicro" at 137.132,84.703 h0.7; F.Fab "License: Apache-2.0" at 137.132,85.587 h0.7
C111: F.Fab "Author: Antmicro" at 135.492,76.353 h0.7; F.Fab "License: Apache-2.0" at 135.492,77.237 h0.7
C112: F.Fab "Author: Antmicro" at 137.132,85.703 h0.7; F.Fab "License: Apache-2.0" at 137.132,86.587 h0.7
C113: F.Fab "License: Apache-2.0" at 135.492,78.227 h0.7; F.Fab "Author: Antmicro" at 135.492,77.343 h0.7
C114: F.Fab "License: Apache-2.0" at 146.918,46.407 h0.7; F.Fab "Author: Antmicro" at 146.918,47.523 h0.7
C115: F.Fab "Author: Antmicro" at 146.218,41.013 h0.7; F.Fab "License: Apache-2.0" at 146.218,39.897 h0.7
C116: B.Fab "Author: Antmicro" at 58.818,89.703 h0.7; B.Fab "License: Apache-2.0" at 58.818,90.587 h0.7
C117: B.Fab "Author: Antmicro" at 63.653,91.453 h0.7; B.Fab "License: Apache-2.0" at 65.483,92.337 h0.7
C118: B.Fab "Author: Antmicro" at 66.082,83.813 h0.7; B.Fab "License: Apache-2.0" at 66.082,82.697 h0.7
C119: B.Fab "License: Apache-2.0" at 64.218,94.037 h0.7; B.Fab "Author: Antmicro" at 64.218,93.153 h0.7
C120: F.Fab "License: Apache-2.0" at 63.168,68.538 h0.7 r90; F.Fab "Author: Antmicro" at 62.051,68.538 h0.7 r90
C121: F.Fab "Author: Antmicro" at 71.188,68.214 h0.7 r90; F.Fab "License: Apache-2.0" at 68.904,66.384 h0.7 r90
C122: F.Fab "Author: Antmicro" at 69.53,71.716 h0.7; F.Fab "License: Apache-2.0" at 69.53,72.6 h0.7
C123: F.Fab "Author: Antmicro" at 77.348,68.524 h0.7 r90; F.Fab "License: Apache-2.0" at 75.064,66.694 h0.7 r90
C124: B.Fab "License: Apache-2.0" at 65.497,88.518 h0.7 r270; B.Fab "Author: Antmicro" at 66.613,88.518 h0.7 r270
C125: F.Fab "Author: Antmicro" at 74.331,74.744 h0.7; F.Fab "License: Apache-2.0" at 74.331,72.228 h0.7
C126: F.Fab "Author: Antmicro" at 65.839,75.162 h0.7 r270; F.Fab "License: Apache-2.0" at 64.722,75.162 h0.7 r270
C127: F.Fab "License: Apache-2.0" at 63.397,75.162 h0.7 r270; F.Fab "Author: Antmicro" at 64.514,75.162 h0.7 r270
C128: F.Fab "Author: Antmicro" at 67.164,75.162 h0.7 r270; F.Fab "License: Apache-2.0" at 66.047,75.162 h0.7 r270
C129: F.Fab "Author: Antmicro" at 63.411,68.538 h0.7 r90; F.Fab "License: Apache-2.0" at 64.528,68.538 h0.7 r90
C130: B.Fab "Author: Antmicro" at 140.792,33.713 h0.7; B.Fab "License: Apache-2.0" at 140.792,32.597 h0.7
C131: B.Fab "License: Apache-2.0" at 96.368,80.287 h0.7; B.Fab "Author: Antmicro" at 96.368,79.403 h0.7
C132: B.Fab "License: Apache-2.0" at 94.468,78.562 h0.7; B.Fab "Author: Antmicro" at 94.468,77.678 h0.7
C133: B.Fab "License: Apache-2.0" at 96.368,77.037 h0.7; B.Fab "Author: Antmicro" at 96.368,76.153 h0.7
C134: B.Fab "Author: Antmicro" at 81.671,86.982 h0.7 r90; B.Fab "License: Apache-2.0" at 82.788,86.982 h0.7 r90
C135: B.Fab "License: Apache-2.0" at 94.468,75.587 h0.7; B.Fab "Author: Antmicro" at 94.468,74.703 h0.7
C136: B.Fab "License: Apache-2.0" at 68.203,56.582 h0.7 r90; B.Fab "Author: Antmicro" at 67.087,56.582 h0.7 r90
C137: B.Fab "Author: Antmicro" at 71.982,79.713 h0.7; B.Fab "License: Apache-2.0" at 71.982,78.597 h0.7
C138: B.Fab "License: Apache-2.0" at 88.943,86.037 h0.7; B.Fab "Author: Antmicro" at 88.943,85.153 h0.7
C139: B.Fab "License: Apache-2.0" at 88.943,86.987 h0.7; B.Fab "Author: Antmicro" at 88.943,86.103 h0.7
C140: F.Fab "Author: Antmicro" at 82.682,60.653 h0.7; F.Fab "License: Apache-2.0" at 82.682,61.537 h0.7
C141: F.Fab "License: Apache-2.0" at 82.682,63.937 h0.7; F.Fab "Author: Antmicro" at 82.682,63.053 h0.7
C142: B.Fab "License: Apache-2.0" at 57.493,89.823 h0.7 r90; B.Fab "Author: Antmicro" at 58.377,87.993 h0.7 r90
C143: F.Fab "Author: Antmicro" at 82.682,61.653 h0.7; F.Fab "License: Apache-2.0" at 82.682,62.537 h0.7
C144: F.Fab "License: Apache-2.0" at 82.682,64.937 h0.7; F.Fab "Author: Antmicro" at 82.682,64.053 h0.7
C145: B.Fab "Author: Antmicro" at 56.587,48.982 h0.7 r90; B.Fab "License: Apache-2.0" at 57.703,48.982 h0.7 r90
C146: B.Fab "Author: Antmicro" at 50.213,47.418 h0.7 r270; B.Fab "License: Apache-2.0" at 49.097,47.418 h0.7 r270
C147: B.Fab "License: Apache-2.0" at 59.332,52.147 h0.7; B.Fab "Author: Antmicro" at 59.332,53.263 h0.7
C148: B.Fab "Author: Antmicro" at 72.418,60.453 h0.7; B.Fab "License: Apache-2.0" at 72.418,61.337 h0.7
C149: B.Fab "Author: Antmicro" at 75.132,46.063 h0.7; B.Fab "License: Apache-2.0" at 75.132,44.947 h0.7
C150: B.Fab "Author: Antmicro" at 42.613,84.118 h0.7 r270; B.Fab "License: Apache-2.0" at 41.497,84.118 h0.7 r270
C151: F.Fab "License: Apache-2.0" at 69.53,70.79 h0.7; F.Fab "Author: Antmicro" at 69.53,69.906 h0.7
C152: F.Fab "Author: Antmicro" at 60.63,65.586 h0.7; F.Fab "License: Apache-2.0" at 60.63,66.47 h0.7
C153: F.Fab "Author: Antmicro" at 64.771,68.538 h0.7 r90; F.Fab "License: Apache-2.0" at 65.888,68.538 h0.7 r90
C154: F.Fab "License: Apache-2.0" at 67.362,75.162 h0.7 r270; F.Fab "Author: Antmicro" at 68.479,75.162 h0.7 r270
C155: F.Fab "Author: Antmicro" at 77.348,66.614 h0.7 r90; F.Fab "License: Apache-2.0" at 75.064,64.784 h0.7 r90
C156: F.Fab "License: Apache-2.0" at 52.214,69.646 h0.7; F.Fab "Author: Antmicro" at 54.044,67.362 h0.7
C157: F.Fab "License: Apache-2.0" at 63.504,56.404 h0.7 r90; F.Fab "Author: Antmicro" at 65.788,58.234 h0.7 r90
C158: B.Fab "License: Apache-2.0" at 53.972,54.539 h0.7 r90; B.Fab "Author: Antmicro" at 51.456,54.539 h0.7 r90
C159: B.Fab "License: Apache-2.0" at 48.589,45.888 h0.7; B.Fab "Author: Antmicro" at 48.589,48.404 h0.7
C160: B.Fab "License: Apache-2.0" at 62.596,87.136 h0.7; B.Fab "Author: Antmicro" at 60.766,84.852 h0.7
C161: F.Fab "License: Apache-2.0" at 61.242,74.286 h0.7 r90; F.Fab "Author: Antmicro" at 58.726,74.286 h0.7 r90
C163: F.Fab "License: Apache-2.0" at 83.497,50.032 h0.7 r270; F.Fab "Author: Antmicro" at 84.613,50.032 h0.7 r270
C164: F.Fab "License: Apache-2.0" at 95.103,45.968 h0.7 r90; F.Fab "Author: Antmicro" at 93.987,45.968 h0.7 r90
D1: F.Fab "License: Apache-2.0" at 127.768,64.622 h0.7 r270; F.Fab "Author: Antmicro" at 126.684,64.622 h0.7 r270
D2: B.Fab "License: Apache-2.0" at 55.792,41.016 h0.7; B.Fab "Author: Antmicro" at 53.963,42.332 h0.7
D3: B.Fab "License: Apache-2.0" at 45.472,33.818 h0.7; B.Fab "Author: Antmicro" at 45.472,32.734 h0.7
D4: B.Fab "License: Apache-2.0" at 76.134,68.242 h0.7 r90; B.Fab "Author: Antmicro" at 74.818,66.413 h0.7 r90
D5: B.Fab "Author: Antmicro" at 72.968,66.413 h0.7 r90; B.Fab "License: Apache-2.0" at 74.284,68.242 h0.7 r90
D6: B.Fab "Author: Antmicro" at 55.67,50.513 h0.7; B.Fab "License: Apache-2.0" at 55.67,49.197 h0.7
D7: B.Fab "Author: Antmicro" at 73.67,57.733 h0.7; B.Fab "License: Apache-2.0" at 73.67,56.417 h0.7
D8: B.Fab "Author: Antmicro" at 56.268,44.663 h0.7 r90; B.Fab "License: Apache-2.0" at 57.584,46.492 h0.7 r90
D9: F.Fab "Author: Antmicro" at 74.116,36.278 h0.7 r90; F.Fab "License: Apache-2.0" at 73.032,36.278 h0.7 r90
D10: B.Fab "Author: Antmicro" at 114.588,52.358 h0.7; B.Fab "License: Apache-2.0" at 114.588,51.042 h0.7
D11: F.Fab "Author: Antmicro" at 112.916,36.228 h0.7 r90; F.Fab "License: Apache-2.0" at 111.832,36.228 h0.7 r90
D12: B.SilkS "~" at 48.2,56.3 h0.7; B.Fab "License: Apache-2.0" at 49.99,52.068 h0.7; B.Fab "Author: Antmicro" at 49.99,53.184 h0.7
D13: B.SilkS "~" at 52.46,56.4 h0.7; B.Fab "Author: Antmicro" at 54.25,53.184 h0.7; B.Fab "License: Apache-2.0" at 54.25,52.068 h0.7
D14: B.Fab "Author: Antmicro" at 53.252,66.185 h0.7; B.Fab "License: Apache-2.0" at 53.252,64.867 h0.7
D15: F.Fab "Author: Antmicro" at 26.493,53.112 h0.7 r90; F.Fab "License: Apache-2.0" at 27.809,51.283 h0.7 r90
D16: B.Fab "License: Apache-2.0" at 116.05,98.867 h0.7; B.Fab "Author: Antmicro" at 116.05,97.783 h0.7
D17: B.Fab "License: Apache-2.0" at 116.35,87.667 h0.7; B.Fab "Author: Antmicro" at 116.35,88.983 h0.7
D18: B.Fab "Author: Antmicro" at 145.772,45.684 h0.7; B.Fab "License: Apache-2.0" at 145.772,46.768 h0.7
D19: F.Fab "License: Apache-2.0" at 142.503,72.79 h0.7 r90; F.Fab "Author: Antmicro" at 141.187,72.79 h0.7 r90
D20: B.Fab "Author: Antmicro" at 145.772,47.184 h0.7; B.Fab "License: Apache-2.0" at 145.772,48.268 h0.7
D21: F.Fab "License: Apache-2.0" at 130.037,73.32 h0.7 r270; F.Fab "Author: Antmicro" at 131.353,73.32 h0.7 r270
D22: B.Fab "Author: Antmicro" at 129.3,74.103 h0.7; B.Fab "License: Apache-2.0" at 129.3,75.187 h0.7
D23: B.Fab "Author: Antmicro" at 129.6,65.583 h0.7; B.Fab "License: Apache-2.0" at 129.6,64.267 h0.7